# Allegro board TubiiPCB_V6.brd
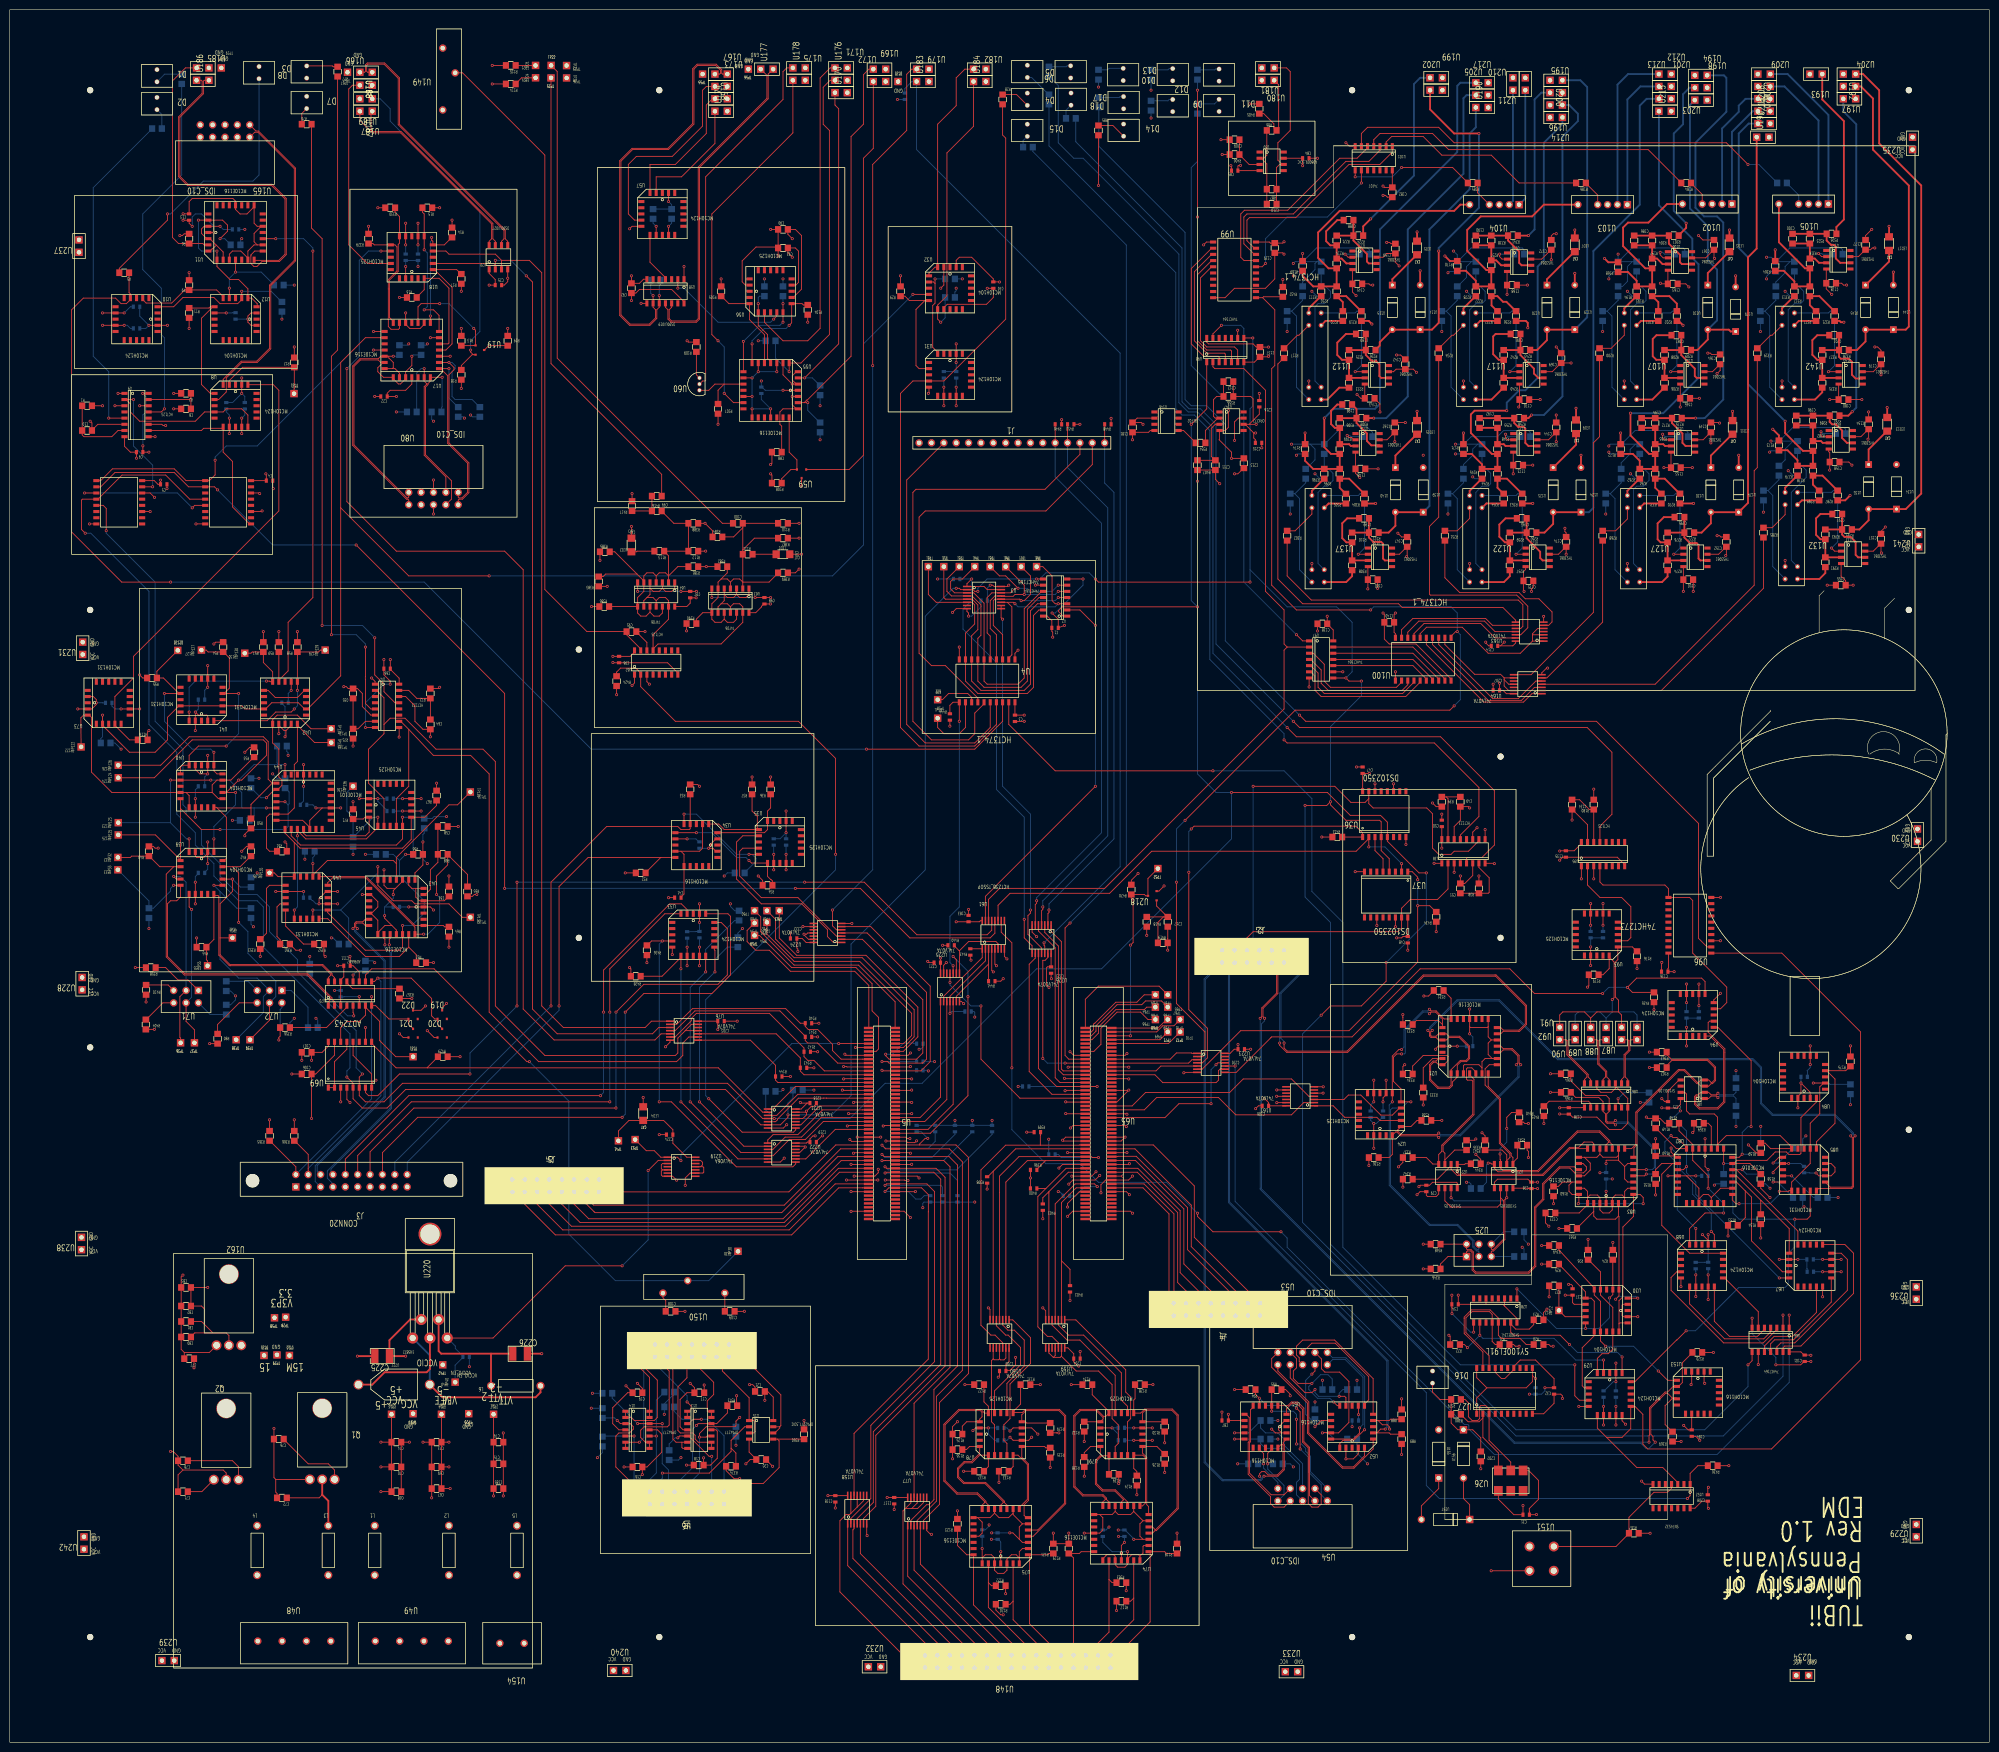
[diagram p0: board, top side]
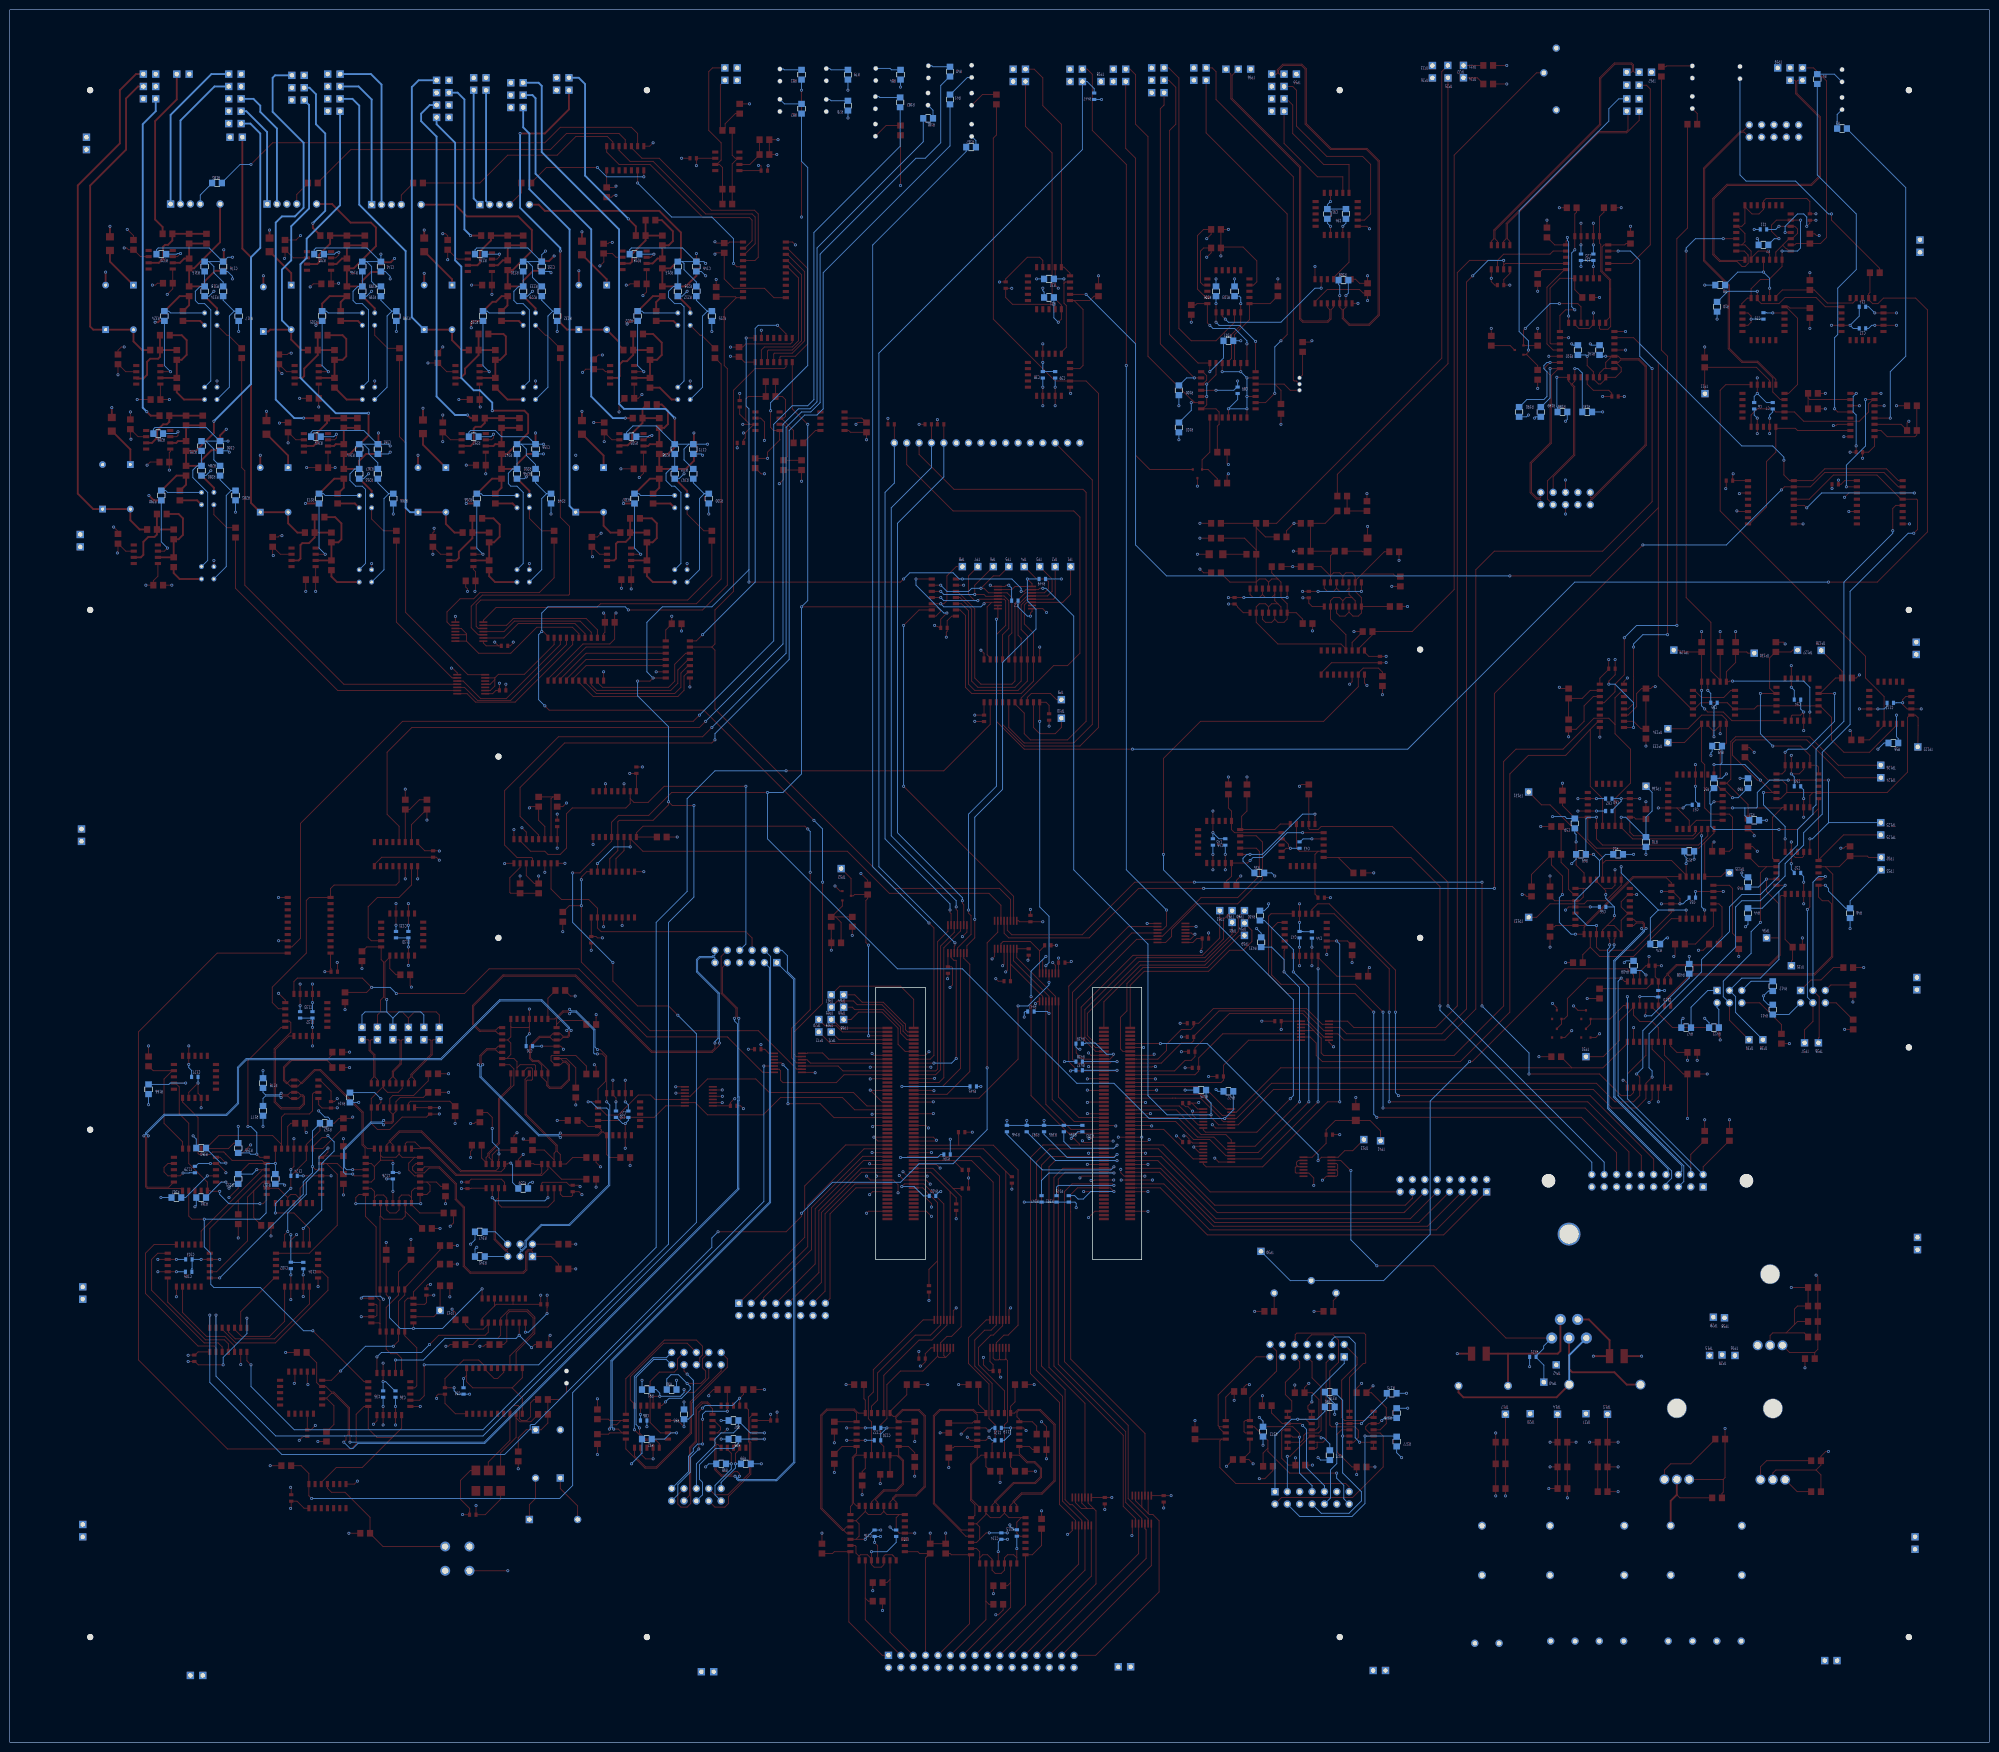
[diagram p1: board, bottom side, seen from below]

Outline 406.4 x 355.6 mm; copper layers: TOP, GND_TOP, VTT, VEE, V15, VCC, GND_BOT, BOTTOM. Coordinates in mm from the lower left corner of the outline.
Outline path: rectangle 0,0 406.4,355.6

## Design rules (mm)
net group DP_BCKP_CLK_BUFD: nets BCKP_CLK_BUFD_N BCKP_CLK_BUFD_P
net group DP_CHANGE_CLK2: nets CHANGE_CLK2_N CHANGE_CLK2_P
net group DP_CHOSEN_CLK: nets CHOSEN_CLK_N CHOSEN_CLK_P
net group DP_CHOSEN_CLK2: nets CHOSEN_CLK2_N CHOSEN_CLK2_P
net group DP_CLK_BAD: nets CLK_BAD_N CLK_BAD_P
net group DP_CLK_SEL_ECL: nets CLK_SEL_ECL_N CLK_SEL_ECL_P
net group DP_DEF_CLK_DIV2: nets DEF_CLK_DIV2_N DEF_CLK_DIV2_P
net group DP_DEF_CLK_DIV4: nets DEF_CLK_DIV4_N DEF_CLK_DIV4_P
net group DP_DEF_CLK_DIV8: nets DEF_CLK_DIV8_N DEF_CLK_DIV8_P
net group DP_DEF_CLK_DIVD: nets DEF_CLK_DIVD_N DEF_CLK_DIVD_P
net group DP_ECLTOLVDS: nets UNNAMED_1_FRONTPORTS_I2_ECLTO_1 UNNAMED_1_FRONTPORTS_I2_ECLTO_2
net group DP_FOX_CLK_LVPECL: nets FOX_CLK_LVPECL_N FOX_CLK_LVPECL_P
net group DP_FUZZD_CLK: nets FUZZD_CLK_N FUZZD_CLK_P
net group DP_GT2_N: nets GT2_N UNNAMED_1_CAENCOMS_I8_GT2P
net group DP_LVDS_TO_ECL: nets UNNAMED_1_FRONTPORTS_I2_LVDST_1 UNNAMED_1_FRONTPORTS_I2_LVDSTOE
net group DP_RIB1: nets RIB1_N RIB1_P
net group DP_RIB2: nets RIB2_N RIB2_P
net group DP_RIB3: nets RIB3_N RIB3_P
net group DP_RIB4: nets RIB4_N RIB4_P
net group DP_RIB5: nets RIB5_N RIB5_P
net group DP_RIB6: nets RIB6_N RIB6_P
net group DP_RIB7: nets RIB7_N RIB7_P
net group DP_RIB8: nets RIB8_N RIB8_P
net group DP_RIB9: nets RIB9_N RIB9_P
net group DP_RIB10: nets RIB10_N RIB10_P
net group DP_SMELLIE_DELAY_BUF: nets SMELLIE_DELAY_BUF_N SMELLIE_DELAY_BUF_P
net group DP_SYNC24_2: nets SYNC24_2_N SYNC24_2_P
net group DP_SYNC_2: nets SYNC_2_N SYNC_2_P
net group DP_TELLIE_DELAY_BUF: nets TELLIE_DELAY_BUF_N TELLIE_DELAY_BUF_P
net group DP_TRIG_GATE1: nets TRIG_GATE1_N TRIG_GATE1_P
net group DP_TRIG_GATE2: nets TRIG_GATE2_N TRIG_GATE2_P
net group DP_TRIG_PULS1: nets TRIG_PULS1_N TRIG_PULS1_P
net group DP_TRIG_PULS2: nets TRIG_PULS2_N TRIG_PULS2_P
net group DP_UNNAMED_1_AD96687_I1_Q1: nets UNNAMED_1_AD96687_I1_Q1 UNNAMED_1_AD96687_I1_Q1_1
net group DP_UNNAMED_1_AD96687_I1_Q2: nets UNNAMED_1_AD96687_I1_Q2 UNNAMED_1_AD96687_I1_Q2_1
net group DP_UNNAMED_1_CHANGECLKS_I3_BCKPCLK2: nets UNNAMED_1_CHANGECLKS_I3_BCKPC_1 UNNAMED_1_CHANGECLKS_I3_BCKPCLK
net group DP_UNNAMED_1_CHANGECLKS_I3_BCKPCLK3: nets UNNAMED_1_CHANGECLKS_I3_BCKPC_2 UNNAMED_1_CHANGECLKS_I3_BCKPC_3
net group DP_UNNAMED_1_CHANGECLKS_I3_CHANGECLK: nets UNNAMED_1_CHANGECLKS_I3_CHANG_1 UNNAMED_1_CHANGECLKS_I3_CHANGEC
net group DP_UNNAMED_1_CHANGECLKS_I3_DEFAULTCLK2: nets UNNAMED_1_CHANGECLKS_I3_DEFAU_1 UNNAMED_1_CHANGECLKS_I3_DEFAULT
net group DP_UNNAMED_1_CSMD0603_I10_B: nets UNNAMED_1_CSMD0603_I10_B_1 UNNAMED_1_FRONTPORTS_I2_SMELLIE
net group DP_UNNAMED_1_CSMD0603_I54_B: nets UNNAMED_1_CSMD0603_I54_B UNNAMED_1_FRONTPORTS_I2_EXTT<0>
net group DP_UNNAMED_1_CSMD0603_I55_A: nets UNNAMED_1_CSMD0603_I55_A UNNAMED_1_FRONTPORTS_I2_EXTT<4>
net group DP_UNNAMED_1_CSMD0805_I64_B: nets UNNAMED_1_CSMD0805_I64_B UNNAMED_1_CSMD0805_I70_B
net group DP_UNNAMED_1_DEFAULTCLKSEL_I1_DEFAULTCLK: nets UNNAMED_1_DEFAULTCLKSEL_I1_BCKP UNNAMED_1_MC10E116_I1_D0
net group DP_UNNAMED_1_FRONTPORTS_I2_CLK100: nets UNNAMED_1_FRONTPORTS_I2_CLK100N UNNAMED_1_FRONTPORTS_I2_CLK100P
net group DP_UNNAMED_1_FRONTPORTS_I2_GT: nets UNNAMED_1_FRONTPORTS_I2_GTN UNNAMED_1_FRONTPORTS_I2_GTP
net group DP_UNNAMED_1_FRONTPORTS_I2_LOSTAROUT: nets UNNAMED_1_FRONTPORTS_I2_LOSTA_1 UNNAMED_1_FRONTPORTS_I2_LOSTARO
net group DP_UNNAMED_1_FRONTPORTS_I2_MTCAMIMIC1OUT: nets UNNAMED_1_FRONTPORTS_I2_MTCAM_1 UNNAMED_1_FRONTPORTS_I2_MTCAMIM
net group DP_UNNAMED_1_FRONTPORTS_I2_MTCAMIMIC2OUT: nets UNNAMED_1_FRONTPORTS_I2_MTCAM_3 UNNAMED_1_FRONTPORTS_I2_MTCAM_4
net group DP_UNNAMED_1_FRONTPORTS_I2_MTCDLO: nets UNNAMED_1_FRONTPORTS_I2_MTCDLO UNNAMED_1_MC10E116_I2_D0
net group DP_UNNAMED_1_FRONTPORTS_I2_RIBBONPULSEIN: nets UNNAMED_1_FRONTPORTS_I2_RIBBO_1 UNNAMED_1_FRONTPORTS_I2_RIBBONP
net group DP_UNNAMED_1_FRONTPORTS_I2_RIBBONPULSEOUT: nets UNNAMED_1_FRONTPORTS_I2_RIBBO_2 UNNAMED_1_FRONTPORTS_I2_RIBBO_3
net group DP_UNNAMED_1_FRONTPORTS_I2_SYNC: nets UNNAMED_1_FRONTPORTS_I2_SYNCN UNNAMED_1_FRONTPORTS_I2_SYNCP
net group DP_UNNAMED_1_FRONTPORTS_I2_SYNC24: nets UNNAMED_1_FRONTPORTS_I2_SYNC24N UNNAMED_1_FRONTPORTS_I2_SYNC24P
net group DP_UNNAMED_1_FRONTPORTS_I2_SYNC24LVDS: nets UNNAMED_1_FRONTPORTS_I2_SYNC2_1 UNNAMED_1_FRONTPORTS_I2_SYNC24L
net group DP_UNNAMED_1_FRONTPORTS_I2_SYNCLVDS: nets UNNAMED_1_FRONTPORTS_I2_SYNCL_1 UNNAMED_1_FRONTPORTS_I2_SYNCLVD
net group DP_UNNAMED_1_MC10E116_I1_Q0: nets UNNAMED_1_MC10E116_I1_Q0 UNNAMED_1_MC10E116_I1_Q0_1
net group DP_UNNAMED_1_MC10E116_I1_Q3: nets UNNAMED_1_MC10E116_I1_Q3 UNNAMED_1_MC10E116_I1_Q3_1
net group DP_UNNAMED_1_MC10E116_I3_Q0: nets UNNAMED_1_MC10E116_I3_Q0 UNNAMED_1_MC10E116_I3_Q0_1
net group DP_UNNAMED_1_MC10E116_I3_Q1: nets UNNAMED_1_MC10E116_I3_Q1 UNNAMED_1_MC10E116_I3_Q1_1
net group DP_UNNAMED_1_MC10E116_I3_Q2: nets UNNAMED_1_MC10E116_I3_Q2 UNNAMED_1_MC10E116_I3_Q2_1
net group DP_UNNAMED_1_MC10E116_I3_Q3: nets UNNAMED_1_MC10E116_I3_Q3 UNNAMED_1_MC10E116_I3_Q3_1
net group DP_UNNAMED_1_MC10E116_I4_Q0: nets UNNAMED_1_MC10E116_I4_Q0 UNNAMED_1_MC10E116_I4_Q0_1
net group DP_UNNAMED_1_MC10E116_I4_Q1: nets UNNAMED_1_MC10E116_I4_Q1 UNNAMED_1_MC10E116_I4_Q1_1
net group DP_UNNAMED_1_MC10E116_I4_Q2: nets UNNAMED_1_MC10E116_I4_Q2 UNNAMED_1_MC10E116_I4_Q2_1
net group DP_UNNAMED_1_MC10E116_I4_Q3: nets UNNAMED_1_MC10E116_I4_Q3 UNNAMED_1_MC10E116_I4_Q3_1
net group DP_UNNAMED_1_MC10E116_I22_Q0: nets UNNAMED_1_MC10E116_I22_Q0 UNNAMED_1_MC10E116_I22_Q0_1
net group DP_UNNAMED_1_MC10E116_I22_Q1: nets UNNAMED_1_MC10E116_I22_Q1 UNNAMED_1_MC10E116_I22_Q1_1
net group DP_UNNAMED_2_FRONTPORTS_I2_TUBCLKI: nets UNNAMED_1_FRONTPORTS_I2_TUBCL_1 UNNAMED_1_FRONTPORTS_I2_TUBCLKI
net group DP_UNNAMED_2_FRONTPORTS_I2_TUBCLKIN: nets UNNAMED_1_FRONTPORTS_I2_ECLTOLV VBB_TRANS
net group DP_USE_BCKP: nets USE_BCKP_N USE_BCKP_P
net group DP_USE_DEFAULT: nets USE_DEFAULT_N USE_DEFAULT_P
net group ECAL_ACTIVE_ECL: nets ECAL_ACTIVE_ECL_N ECAL_ACTIVE_ECL_P
net group LO_SEL_ECL: nets LO_SEL_ECL_N LO_SEL_ECL_P
net group UNNAMED_1_FRONTPORTS_I2_DGT: nets UNNAMED_1_FRONTPORTS_I2_DGTN UNNAMED_1_FRONTPORTS_I2_DGTP
net group BACKPLANE_IN: nets BACKPLANE_IN<1> BACKPLANE_IN<2> BACKPLANE_IN<3> BACKPLANE_IN<4> BACKPLANE_IN<5> BACKPLANE_IN<6> BACKPLANE_IN<7> BACKPLANE_IN<8> BACKPLANE_IN<9> BACKPLANE_IN<10>
net group BACKPLANE_OUT: nets BACKPLANE_OUT<1> BACKPLANE_OUT<2> BACKPLANE_OUT<3> BACKPLANE_OUT<4> BACKPLANE_OUT<5> BACKPLANE_OUT<6> BACKPLANE_OUT<7> BACKPLANE_OUT<8> BACKPLANE_OUT<9> BACKPLANE_OUT<10>
net group CNTRL_RAW: nets CNTRL_RAW<0> CNTRL_RAW<1> CNTRL_RAW<2> CNTRL_RAW<3> CNTRL_RAW<4> CNTRL_RAW<5> CNTRL_RAW<6> CNTRL_RAW<7>
net group COUNT_DATA_ECL: nets COUNT_DATA_ECL<1> COUNT_DATA_ECL<2> COUNT_DATA_ECL<3> COUNT_DATA_ECL<4> COUNT_DATA_ECL<5> COUNT_DATA_ECL<6> COUNT_DATA_ECL<7>
net group LE: nets UNNAMED_1_HCT238_I53_A0 UNNAMED_1_HCT238_I53_A1 UNNAMED_1_HCT238_I53_A2
net group UNNAMED_1_BACKPORTS_I3_UNNUSEDM: nets UNNAMED_1_BACKPORTS_I3_UNNU<10> UNNAMED_1_BACKPORTS_I3_UNNU<11> UNNAMED_1_BACKPORTS_I3_UNNU<12> UNNAMED_1_BACKPORTS_I3_UNNU<13> UNNAMED_1_BACKPORTS_I3_UNNU<14> UNNAMED_1_BACKPORTS_I3_UNNU<15> UNNAMED_1_BACKPORTS_I3_UNNUS<0> UNNAMED_1_BACKPORTS_I3_UNNUS<1> UNNAMED_1_BACKPORTS_I3_UNNUS<2> UNNAMED_1_BACKPORTS_I3_UNNUS<3> UNNAMED_1_BACKPORTS_I3_UNNUS<4> UNNAMED_1_BACKPORTS_I3_UNNUS<5> UNNAMED_1_BACKPORTS_I3_UNNUS<6> UNNAMED_1_BACKPORTS_I3_UNNUS<7> UNNAMED_1_BACKPORTS_I3_UNNUS<8> UNNAMED_1_BACKPORTS_I3_UNNUS<9>
net group UNNAMED_1_EXTTRIGS_I70_EXTTRIGO: nets UNNAMED_1_EXTTRIGS_I70_EXTT<10> UNNAMED_1_EXTTRIGS_I70_EXTT<12> UNNAMED_1_EXTTRIGS_I70_EXTT<13> UNNAMED_1_EXTTRIGS_I70_EXTT<14> UNNAMED_1_EXTTRIGS_I70_EXTTR<0> UNNAMED_1_EXTTRIGS_I70_EXTTR<1> UNNAMED_1_EXTTRIGS_I70_EXTTR<2> UNNAMED_1_EXTTRIGS_I70_EXTTR<3> UNNAMED_1_EXTTRIGS_I70_EXTTR<4> UNNAMED_1_EXTTRIGS_I70_EXTTR<5> UNNAMED_1_EXTTRIGS_I70_EXTTR<6> UNNAMED_1_EXTTRIGS_I70_EXTTR<7> UNNAMED_1_EXTTRIGS_I70_EXTTR<9>
net group UNNAMED_1_FRONTPORTS_I2_CAENOUT: nets UNNAMED_1_FRONTPORTS_I2_CAEN<0> UNNAMED_1_FRONTPORTS_I2_CAEN<1> UNNAMED_1_FRONTPORTS_I2_CAEN<2> UNNAMED_1_FRONTPORTS_I2_CAEN<3> UNNAMED_1_FRONTPORTS_I2_CAEN<4> UNNAMED_1_FRONTPORTS_I2_CAEN<5> UNNAMED_1_FRONTPORTS_I2_CAEN<6> UNNAMED_1_FRONTPORTS_I2_CAEN<7>
net group UNNAMED_1_FRONTPORTS_I2_EXTTRIG: nets UNNAMED_1_FRONTPORTS_I2_EXT<10> UNNAMED_1_FRONTPORTS_I2_EXT<11> UNNAMED_1_FRONTPORTS_I2_EXT<12> UNNAMED_1_FRONTPORTS_I2_EXT<13> UNNAMED_1_FRONTPORTS_I2_EXT<14> UNNAMED_1_FRONTPORTS_I2_EXT<15> UNNAMED_1_FRONTPORTS_I2_EXTT<1> UNNAMED_1_FRONTPORTS_I2_EXTT<2> UNNAMED_1_FRONTPORTS_I2_EXTT<3> UNNAMED_1_FRONTPORTS_I2_EXTT<5> UNNAMED_1_FRONTPORTS_I2_EXTT<6> UNNAMED_1_FRONTPORTS_I2_EXTT<7> UNNAMED_1_FRONTPORTS_I2_EXTT<8> UNNAMED_1_FRONTPORTS_I2_EXTT<9>
net group UNNAMED_1_FRONTPORTS_I2_PULSE_2: nets UNNAMED_1_FRONTPORTS_I2_PUL<10> UNNAMED_1_FRONTPORTS_I2_PUL<11> UNNAMED_1_FRONTPORTS_I2_PULS<0> UNNAMED_1_FRONTPORTS_I2_PULS<1> UNNAMED_1_FRONTPORTS_I2_PULS<2> UNNAMED_1_FRONTPORTS_I2_PULS<3> UNNAMED_1_FRONTPORTS_I2_PULS<4> UNNAMED_1_FRONTPORTS_I2_PULS<5> UNNAMED_1_FRONTPORTS_I2_PULS<6> UNNAMED_1_FRONTPORTS_I2_PULS<7> UNNAMED_1_FRONTPORTS_I2_PULS<8> UNNAMED_1_FRONTPORTS_I2_PULS<9>
net group UNNAMED_1_FRONTPORTS_I2_SCALER: nets UNNAMED_1_FRONTPORTS_I2_SCAL<1> UNNAMED_1_FRONTPORTS_I2_SCAL<2> UNNAMED_1_FRONTPORTS_I2_SCAL<3> UNNAMED_1_FRONTPORTS_I2_SCAL<4> UNNAMED_1_FRONTPORTS_I2_SCAL<5> UNNAMED_1_FRONTPORTS_I2_SCAL<6>
net group UNNAMED_1_FRONTPORTS_I2_SCOPEOU: nets UNNAMED_1_FRONTPORTS_I2_SCOP<0> UNNAMED_1_FRONTPORTS_I2_SCOP<1> UNNAMED_1_FRONTPORTS_I2_SCOP<2> UNNAMED_1_FRONTPORTS_I2_SCOP<3> UNNAMED_1_FRONTPORTS_I2_SCOP<4> UNNAMED_1_FRONTPORTS_I2_SCOP<5> UNNAMED_1_FRONTPORTS_I2_SCOP<6> UNNAMED_1_FRONTPORTS_I2_SCOP<7>

## Placement (name value [footprint] x y rotation side)
C1  0.1UF  [CAP0603]  215.27 226.19 180 top
C2  0.1UF  [CAP0603]  199.39 231.77 0 bottom
C3  0.1UF  [CAP0603]  208.91 210.82 270 top
C4  1.0UF  [CAP0603]  52.68 261.49 0 top
C5  1.0UF  [CAP0603]  32.28 255.65 180 top
C6  1.0UF  [CAP0603]  45.72 274.98 270 bottom
C7  1.0UF  [CAP0603]  46.99 273.66 90 bottom
C8  0.1UF  [CAP805]  36.19 273.69 90 top
C9  1.0UF  [CAP0603]  27.33 262.25 180 top
C10  0.1UF  [CAP805]  15.88 269.24 270 top
C11  0.1UF  [CAP0603]  47.02 313.06 180 bottom
C12  0.1UF  [CAP0603]  25.37 287.66 0 bottom
C13  0.1UF  [CAP0603]  34.29 312.39 90 top
C14  0.1UF  [CAP0603]  26.7 297.18 180 bottom
C15  0.1UF  [CAP0603]  48.89 292.1 90 bottom
C16  1.0UF  [CAP805]  128.87 56.5 90 top
C17  1.0UF  [CAP805]  141.57 71.74 90 top
C18  1.0UF  [CAP805]  141.44 56.89 270 top
C19  1.0UF  [CAP805]  128.87 71.74 90 top
C20  1.0UF  [CAP805]  154.27 58.03 90 top
C21  1.0UF  [CAP805]  154.02 72 270 top
C22  0.1UF  [CAP0603]  77.5 273.69 180 top
C23  0.1UF  [CAP0603]  81.28 305.46 270 bottom
C24  0.1UF  [CAP0603]  83.82 304.14 90 bottom
C25  0.1UF  [CAP0603]  99.67 301.62 0 top
C26  0.1UF  [CAP0603]  299.06 140.34 0 bottom
C27  0.1UF  [CAP0603]  279.4 129.57 270 bottom
C28  0.1UF  [CAP0603]  309.88 113.64 90 top
C29  0.1UF  [CAP0603]  293.37 114.33 270 top
C30  0.1UF  [CAP0603]  281.94 128.24 90 bottom
C31  10NF  [CAP0603]  311.99 44.17 180 top
C32  0.1UF  [CAP0603]  314.51 71.45 90 top
C33  0.1UF  [CAP0603]  315.78 71.45 90 bottom
C34  0.1UF  [CAP0603]  297.39 87.35 180 top
C35  0.1UF  [CAP0603]  332.29 70.81 90 bottom
C36  0.1UF  [CAP0603]  324.67 72.13 270 bottom
C37  0.1UF  [CAP0603]  323.4 93.09 270 top
C38  0.1UF  [CAP0603]  196.85 280.01 90 bottom
C39  0.1UF  [CAP0603]  189.23 281.33 270 bottom
C40  0.1UF  [CAP0603]  204.47 299.75 270 top
C41  0.1UF  [CAP0603]  136.5 175.9 0 top
C42  0.1UF  [CAP0603]  144.15 165.1 90 bottom
C43  0.1UF  [CAP0603]  139.06 184.81 270 bottom
C44  0.1UF  [CAP0603]  136.53 166.37 270 bottom
C45  0.1UF  [CAP0603]  159.38 184.12 90 bottom
C46  0.1UF  [CAP0603]  156.84 185.45 270 bottom
C47  0.1UF  [CAP0603]  280.29 200.18 270 top
C48  0.1UF  [CAP0603]  284.48 164.06 90 top
C49  0.1UF  [CAP805]  297.81 193.04 180 top
C50  1.0UF  [CAP0603]  291.46 187.93 90 top
C51  0.1UF  [CAP805]  297.81 175.26 0 top
C52  0.1UF  [CAP0603]  40.03 180.97 180 bottom
C53  0.1UF  [CAP0603]  40.03 198.75 180 bottom
C54  0.1UF  [CAP0603]  38.71 211.45 0 bottom
C55  0.1UF  [CAP0603]  55.85 210.82 0 bottom
C56  0.1UF  [CAP0603]  78.71 168.91 0 bottom
C57  0.1UF  [CAP0603]  59.66 189.87 0 bottom
C58  0.1UF  [CAP805]  88.9 187.96 90 top
C59  0.1UF  [CAP805]  85.09 188.59 180 bottom
C60  0.1UF  [CAP0603]  78.77 193.68 180 bottom
C61  0.1UF  [CAP805]  90.17 174.62 0 top
C62  0.1UF  [CAP0603]  77.44 191.13 0 bottom
C63  0.1UF  [CAP0603]  60.3 170.81 0 bottom
C64  0.1UF  [CAP805]  86.36 208.92 180 top
C65  0.1UF  [CAP805]  70.48 215.26 0 top
C66  0.1UF  [CAP0603]  78.13 217.81 180 top
C67  10UF  [CAP805]  87.63 52.07 90 top
C68  10UF  [CAP805]  79.38 51.43 90 top
C69  1UF  [CAP805]  87.63 56.51 90 top
C70  1UF  [CAP805]  79.38 56.51 90 top
C71  0.33UF  [CAP805]  35.56 51.43 90 top
C72  0.33UF  [CAP805]  55.88 50.16 90 top
C73  0.1UF  [CAP805]  87.63 61.59 90 top
C74  0.1UF  [CAP805]  79.38 61.59 90 top
C75  10UF  [CAP805]  100.33 57.15 270 top
C76  0.1UF  [CAP805]  55.25 62.23 90 top
C77  10UF  [CAP805]  36.83 78.74 90 top
C78  0.1UF  [CAP805]  35.56 57.79 90 top
C79  1UF  [CAP805]  100.33 61.59 270 top
C80  10UF  [CAP805]  36.19 83.19 90 top
C81  1UF  [CAP805]  36.19 86.36 90 top
C82  0.1UF  [CAP805]  36.19 89.53 90 top
C83  10NF  [CAP805]  36.19 93.34 270 top
C84  0.1UF  [CAP0603]  265.43 327.66 0 top
C85  0.1UF  [CAP0603]  250.83 325.12 0 top
C86  0.1UF  [CAP0603]  276.91 68.58 180 bottom
C87  0.1UF  [CAP0603]  250.19 63.5 180 top
C88  0.1UF  [CAP805]  157.48 264.8 90 top
C89  0.1UF  [CAP0603]  151.77 278.16 270 bottom
C90  0.1UF  [CAP805]  158.75 310.51 270 top
C91  0.1UF  [CAP805]  135.89 313.69 0 bottom
C92  0.1UF  [CAP805]  127.63 298.45 0 top
C93  0.1UF  [CAP805]  158.75 306.7 90 top
C94  0.1UF  [CAP805]  132.08 313.69 180 bottom
C95  100NF  [CAP805]  127.63 227.97 270 top
C96  0.1UF  [CAP0603]  127.63 222.88 270 top
C97  0.1UF  [CAP0603]  142.24 236.22 270 top
C98  0.1UF  [CAP0603]  157.48 234.95 270 top
C99  0.1UF  [CAP805]  132.84 255.78 90 top
C100  0.1UF  [CAP805]  149.49 250.19 270 top
C101  0.1UF  [CAP0603]  365.96 78.15 90 top
C102  0.1UF  [CAP0603]  351.23 97.2 90 bottom
C103  0.1UF  [CAP0603]  370.28 101.65 180 bottom
C104  0.1UF  [CAP0603]  343.59 98.5 270 bottom
C105  0.1UF  [CAP0603]  369.01 94.03 0 bottom
C106  1UF  [CAP805]  60.96 137.16 270 top
C107  1UF  [CAP805]  60.96 141.61 270 top
C108  1UF  [CAP805]  135.67 88.45 270 top
C109  1UF  [CAP805]  147.81 88.45 90 top
C110  0.1UF  [CAP0603]  65.41 154.31 270 bottom
C111  0.1UF  [CAP0603]  68.58 161.93 0 top
C112  0.1UF  [CAP0603]  19.66 210.79 0 bottom
C113  0.1UF  [CAP0603]  221.87 43.56 270 bottom
C114  0.1UF  [CAP0603]  205.36 41.66 90 bottom
C115  0.1UF  [CAP0603]  202.18 42.29 90 bottom
C116  0.1UF  [CAP0603]  231.39 42.24 90 bottom
C117  0.1UF  [CAP0603]  179.04 48.92 90 top
C118  0.1UF  [CAP0603]  166.95 49.3 90 top
C119  0.1UF  [CAP0603]  204.14 64.52 180 bottom
C120  0.1UF  [CAP0603]  228.9 64.52 180 bottom
C121  0.1UF  [CAP0603]  202.82 61.98 0 bottom
C122  0.1UF  [CAP0603]  227.56 62 0 bottom
C123  0.1UF  [CAP805]  316.31 108.63 90 top
C124  0.1UF  [CAP0603]  348.69 118.79 180 bottom
C125  0.1UF  [CAP0603]  342.98 131.49 270 top
C126  0.1UF  [CAP0603]  330.28 115.62 90 bottom
C127  0.1UF  [CAP0603]  369.06 139.11 180 bottom
C128  0.1UF  [CAP0603]  322.63 130.25 270 top
C129  0.1UF  [CAP0603]  370.92 116.89 90 bottom
C130  0.1UF  [CAP0603]  324.56 166.42 270 bottom
C131  0.1UF  [CAP0603]  327.1 165.1 90 bottom
C132  0.1UF  [CAP0603]  344.25 149.96 270 bottom
C133  0.1UF  [CAP0603]  346.79 148.64 90 bottom
C134  15PF  [CAP805]  320.75 192.45 180 top
C135  0.1UF  [CAP0603]  316.94 181.66 90 top
C136  0.1UF  [CAP0603]  340.44 155.62 180 top
C137  0.1UF  [CAP805]  256.68 285.36 180 top
C138  0.1UF  [CAP805]  269.48 229.57 90 top
C139  0.1UF  [CAP805]  259.71 306.7 0 top
C140  0.1UF  [CAP805]  283.21 229.87 270 top
C141  1UF  [CAP805]  330.2 302.89 0 bottom
C142  1UF  [CAP805]  286.51 282.83 0 top
C143  1UF  [CAP805]  279.19 275.84 90 top
C144  1UF  [CAP805]  317.5 269.88 0 top
C145  1UF  [CAP805]  276.65 299.34 90 top
C146  1UF  [CAP805]  265.43 302.89 0 bottom
C147  1UF  [CAP805]  286.89 246.38 0 top
C148  1UF  [CAP805]  277.29 261.37 90 top
C149  1UF  [CAP805]  349.25 269.88 0 top
C150  1UF  [CAP805]  344.6 238.63 90 top
C151  1UF  [CAP805]  297.18 302.89 0 bottom
C152  1UF  [CAP805]  352.42 246.38 0 top
C153  1UF  [CAP805]  342.06 261.62 90 top
C154  1UF  [CAP805]  381.63 270.51 0 top
C155  1UF  [CAP805]  375.92 237.49 270 top
C156  1UF  [CAP805]  298.45 265.43 0 bottom
C157  1UF  [CAP805]  384.17 247.01 0 top
C158  1UF  [CAP805]  374.65 262.76 90 top
C159  1UF  [CAP805]  284.48 306.58 0 top
C160  1UF  [CAP805]  279.83 238.63 90 top
C161  1UF  [CAP805]  330.83 265.43 0 bottom
C162  1UF  [CAP805]  284.35 269.88 0 top
C163  1UF  [CAP805]  341.42 299.34 90 top
C164  1UF  [CAP805]  351.15 283.85 0 top
C165  1UF  [CAP805]  343.96 275.84 90 top
C166  1UF  [CAP805]  363.22 266.06 0 bottom
C167  1UF  [CAP805]  349.88 307.34 0 top
C168  1UF  [CAP805]  308.4 299.08 90 top
C169  1UF  [CAP805]  318.52 284.1 0 top
C170  1UF  [CAP805]  310.94 275.59 90 top
C171  1UF  [CAP805]  266.06 265.43 0 bottom
C172  1UF  [CAP805]  316.48 307.34 0 top
C173  1UF  [CAP805]  309.67 262.13 90 top
C174  1UF  [CAP805]  319.53 246.38 0 top
C175  1UF  [CAP805]  311.78 238.38 90 top
C176  1UF  [CAP805]  362.58 302.89 0 bottom
C177  1UF  [CAP805]  381 307.34 0 top
C178  1UF  [CAP805]  373.94 299.47 90 top
C179  1UF  [CAP805]  384.17 283.85 0 top
C180  1UF  [CAP805]  376.48 275.59 90 top
C181  0.1UF  [CAP805]  230.5 269.88 0 top
C182  0.1UF  [CAP805]  283.84 318.13 180 top
C183  0.1UF  [CAP0603]  194.31 168.4 90 top
C184  0.1UF  [CAP0603]  347.85 64.11 270 top